# Altium PCB Copy of pcb-4layer-1oz-1.6mm.PcbDoc (part 3 of 3) (continued)
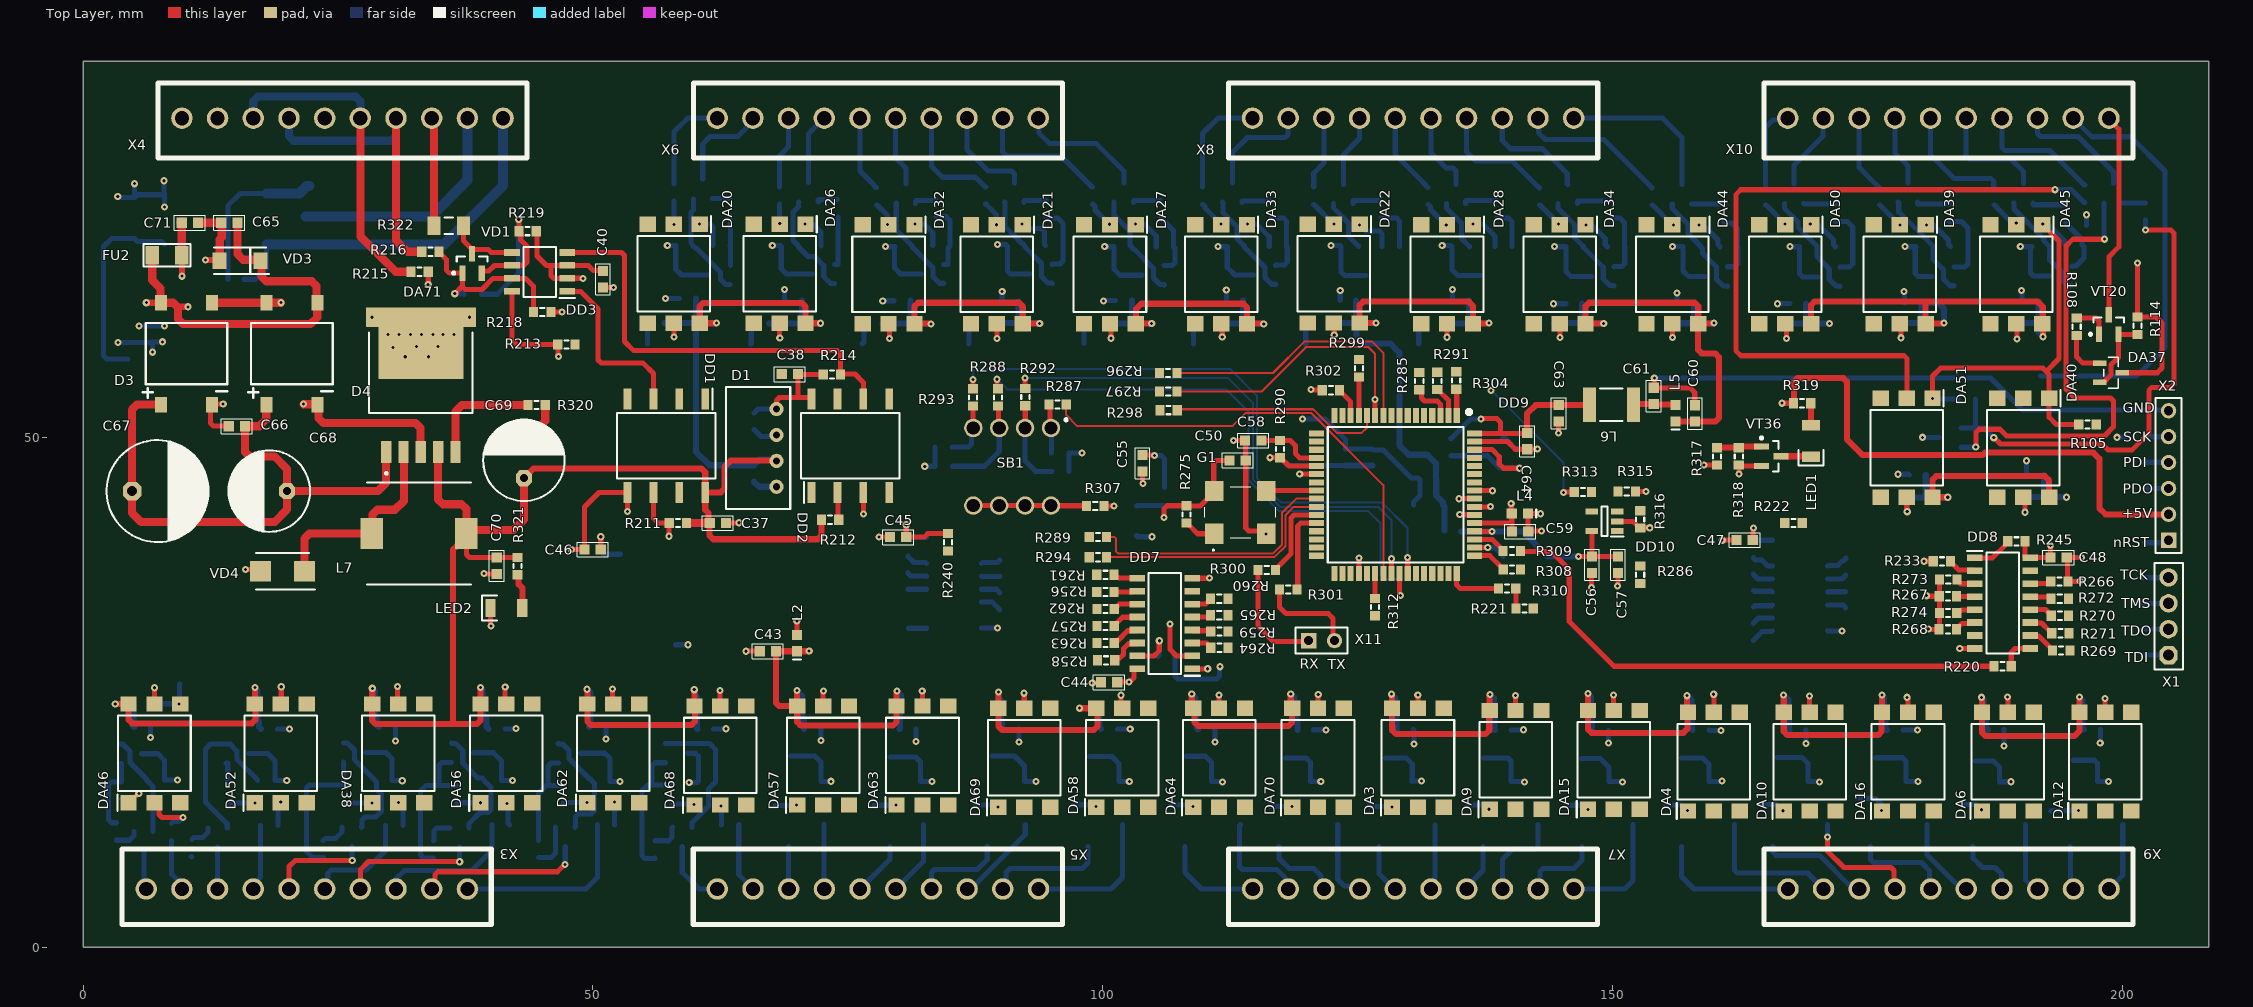
[diagram p0: Top Layer view]
## Nets (pads, with @x,y where several pads share a name; then routed paths per layer and width w, separated by ;. In a path a pad name is that pad's centre, name@x,y a point inside that pad or via, vN(x,y) a via of type N, cw(c..) or ccw(c..) an arc to the next point about the centre after c; other vN are vias at no path point) (continued)
NetDA49_1: DA49.1 R141.1 R144.1 | length 2.4
  Bottom Layer w0.5: R144.1@10.609,8.9 R144.1@10.667,8.843 ; DA49.1@14.023,18.032 14.157,18.032 14.187,18.002 R141.1@14.187,15.861
NetDA49_2: DA49.2 R150.2 VT26.2 | length 16
  Bottom Layer w0.5: VT26.2@14.137,11.688 14.137,12.138 14.087,12.188 14.012,12.188 12,14.2 12,19.407 12.504,19.911 DA49.2@14.023,19.911 14.404,19.911 15.083,19.232 15.083,18.424 17.126,16.381 R150.2@17.126,16.331
NetDA50_2: DA50.2 R145.1 | length 2.7
  Bottom Layer w0.5: R145.1@165.024,72.777 165.074,72.777 166.9,70.951 v1(166.9,70.9)
NetDA50_4: DA50.4 R151.1 R154.1
NetDA51_2: DA51.2 R146.1 | length 71.3
  Top Layer w0.5: DA51.2@178.9,53.8 178.9,57.707 178.607,58 162.6,58 162.1,58.5 162.1,73.8 162.583,74.283 v1(193.411,74.283)
  Bottom Layer w0.5: v1(193.411,74.283) 195.027,74.283 196.273,73.037 R146.1@196.323,73.037
NetDA51_4: DA51.4 R152.1 R155.1
NetDA52_2: DA52.2 R147.1 | length 2.4
  Bottom Layer w0.5: R147.1@19.106,11.938 19.106,13.874 19.391,14.158 v1(19.391,14.212)
NetDA52_4: DA52.4 R153.1 R156.1
NetDA53_1: DA53.1 R157.1 R160.1 | length 14.8
  Bottom Layer w0.5: R160.1@34.377,8.746 33.393,8.746 33.1,9.038 33.1,15.3 33.661,15.861 34.8,15.861 ; DA53.1@36.133,18.119 36.115,18.1 35.193,18.1 34.9,17.807 34.9,15.961 34.8,15.861 ; R157.1@36.689,15.861 34.8,15.861
NetDA53_2: DA53.2 R166.2 VT27.2 | length 11.4
  Bottom Layer w0.5: DA53.2@36.133,19.998 36.163,19.969 36.544,19.969 37.235,19.277 37.235,18.065 38.719,16.581 R166.2@39.158,16.581 ; VT27.2@37.867,11.688 37.867,12.138 38.928,13.2 39.707,13.2 40,13.493 40,15.689 39.608,16.081 39.558,16.081 39.358,16.281 R166.2@39.358,16.331
NetDA54_1: DA54.1 R158.1 R161.1
NetDA54_2: DA54.2 R167.2 VT28.2
NetDA55_1: DA55.1 R159.1 R162.1
NetDA55_2: DA55.2 R168.2 VT29.2
NetDA56_2: DA56.2 R163.1 | length 2.2
  Bottom Layer w0.5: v1(41.579,14.098) 41.579,14.044 41.673,13.951 41.673,12.137 R163.1@41.806,12.003
NetDA56_4: DA56.4 R169.1 R173.1
NetDA57_2: DA57.2 R164.1
NetDA57_4: DA57.4 R170.1 R172.1
NetDA58_2: DA58.2 R165.1
NetDA58_4: DA58.4 R171.1 R174.1
NetDA59_1: DA59.1 R175.1 R178.1 | length 10.5
  Bottom Layer w0.5: R178.1@44.668,10.482 44.668,15.068 45.461,15.861 ; DA59.1@46.603,18.075 46.573,18.046 45.893,18.046 45.6,17.753 45.6,16 45.461,15.861 ; R175.1@47.123,15.861 45.461,15.861
NetDA59_2: DA59.2 R183.2 VT30.2 | length 11.5
  Bottom Layer w0.5: DA59.2@46.603,19.955 46.632,19.925 47.013,19.925 47.649,19.29 47.649,18.507 49.681,16.475 49.762,16.475 49.931,16.306 R183.2@49.931,16.225 ; VT30.2@48.238,11.753 48.288,11.803 48.288,12.78 48.581,13.073 49.873,13.073 50.166,13.366 50.166,15.682 50.162,15.686 50.162,16.025 R183.2@49.962,16.225
NetDA60_1: DA60.1 R176.1 R179.1
NetDA60_2: DA60.2 R184.2 VT31.2
NetDA61_1: DA61.1 R177.1 R180.1
NetDA61_2: DA61.2 R186.2 VT32.2
NetDA62_2: DA62.2 R181.1 | length 2.2
  Bottom Layer w0.5: v1(52.134,14.213) v1(52.134,14.213) R181.1@52.135,12.003
NetDA62_4: DA62.4 R187.1 R190.1
NetDA63_2: DA63.2 R182.1
NetDA63_4: DA63.4 R188.1 R191.1
NetDA64_2: DA64.2 R185.1
NetDA64_4: DA64.4 R189.1 R192.1
NetDA65_1: DA65.1 R193.1 R196.1 | length 14.3
  Bottom Layer w0.5: R196.1@56.113,8.727 56.086,8.7 55.093,8.7 54.8,8.993 54.8,15.3 55.4,15.9 55.7,15.9 ; DA65.1@57.107,18.081 56.093,18.081 55.8,17.788 55.8,16 55.7,15.9 ; R193.1@57.762,15.861 57.723,15.9 55.7,15.9
NetDA65_2: DA65.2 R202.2 VT33.2 | length 13.8
  Bottom Layer w0.5: DA65.2@57.107,19.961 61.439,19.961 62.044,19.356 62.044,16.175 61.844,15.975 61.794,15.975 61.34,15.52 61.34,13.827 59.716,12.203 VT33.2@59.716,11.753
NetDA66_1: DA66.1 R194.1 R197.1
NetDA66_2: DA66.2 R203.2 VT34.2
NetDA67_1: DA67.1 R195.1 R198.1
NetDA67_2: DA67.2 R204.2 VT35.2
NetDA68_2: DA68.2 R199.1 | length 1.9
  Bottom Layer w0.5: v1(62.561,13.854) 62.604,13.811 R199.1@62.604,12.003
NetDA68_4: DA68.4 R205.1 R208.1
NetDA69_2: DA69.2 R200.1
NetDA69_4: DA69.4 R207.1 R209.1
NetDA70_2: DA70.2 R201.1
NetDA70_4: DA70.4 R206.1 R210.1
NetDA71_2: DA71.2 L7.2 VD4.1 | length 20.3
  Top Layer w0.8: VD4.1@21.726,36.87 21.726,40.09 22.195,40.559 L7.2@28.298,40.559 28.4,40.661 28.4,42.431 28.869,42.9 30.6,42.9 31.461,43.761 DA71.2@31.461,48.526
NetDA71_5: DA71.5 R320.1 | length 11.3
  Top Layer w0.8: DA71.5@36.526,48.561 36.526,52.526 37.176,53.176 R320.1@43.633,53.176
NetDD1_2: DD1.2 R213.1
NetDD1_3: DD1.3 DD3.1 | length 17.2
  Top Layer w0.5: DD3.1@47.489,64.316 48.784,64.316 50.5,62.6 50.5,57.593 50.793,57.3 54.9,57.3 55.942,56.258 DD1.3@55.942,53.748
NetDD2_2: DD2.2 R212.1 | length 2.7
  Top Layer w0.5: DD2.2@73.988,44.598 74.05,44.537 74.05,41.979 R212.1@74.111,41.918
NetDD2_6: DD2.6 DD3.4 R214.1 | length 42.1
  Top Layer w0.5: DD3.4@47.489,68.126 52.807,68.126 53.1,67.834 53.1,59.4 54,58.5 74,58.5 74.3,58.2 R214.1@74.3,56.145 ; R214.1@74.355,56.2 75.7,56.2 76.528,55.372 DD2.6@76.528,53.748
NetDD4_3: DD4.3 R231.1 | length 1.9
  Bottom Layer w0.5: DD4.3@88.133,37.637 88.197,37.701 89.705,37.701 89.907,37.904 R231.1@89.907,37.954
NetDD4_4: DD4.4 R224.1 | length 1.8
  Bottom Layer w0.5: DD4.4@88.133,36.367 88.147,36.353 89.901,36.353 R224.1@89.915,36.339
NetDD4_5: DD4.5 R232.1 | length 2
  Bottom Layer w0.5: DD4.5@88.133,35.097 89.575,35.097 89.905,34.767 R232.1@89.905,34.717
NetDD4_6: DD4.6 R225.1 | length 2.1
  Bottom Layer w0.5: DD4.6@88.133,33.827 89.179,33.827 89.901,33.105 R225.1@89.901,33.055
NetDD4_9: DD4.9 R226.1 | length 1.8
  Bottom Layer w0.5: R226.1@80.944,31.256 80.959,31.272 82.693,31.272 DD4.9@82.709,31.287
NetDD4_11: DD4.11 R229.1
NetDD4_12: DD4.12 R223.1 | length 1.8
  Bottom Layer w0.5: R223.1@80.933,35.09 80.937,35.094 82.705,35.094 DD4.12@82.709,35.097
NetDD4_13: DD4.13 R230.1 | length 2
  Bottom Layer w0.5: R230.1@80.914,36.717 80.914,36.667 81.173,36.408 82.668,36.408 DD4.13@82.709,36.367
NetDD4_14: DD4.14 R227.1 | length 2.1
  Bottom Layer w0.5: R227.1@80.923,38.339 80.923,38.289 81.5,37.712 82.634,37.712 DD4.14@82.709,37.637
NetDD5_3: DD5.3 R242.1 | length 2.1
  Bottom Layer w0.5: DD5.3@171.106,37.364 171.181,37.439 172.107,37.439 172.555,37.886 172.675,37.886 172.875,38.086 R242.1@172.875,38.136
NetDD5_4: DD5.4 R237.1 | length 2
  Bottom Layer w0.5: DD5.4@171.106,36.094 172.507,36.094 172.865,36.452 R237.1@172.865,36.502
NetDD5_5: DD5.5 R243.1 | length 1.8
  Bottom Layer w0.5: DD5.5@171.106,34.824 171.133,34.851 172.844,34.851 R243.1@172.87,34.877
NetDD5_6: DD5.6 R238.1 | length 1.9
  Bottom Layer w0.5: DD5.6@171.106,33.554 172.633,33.554 172.87,33.317 R238.1@172.87,33.267
NetDD5_9: DD5.9 R239.1 | length 2.3
  Bottom Layer w0.5: R239.1@163.849,30.062 163.849,30.112 164.676,30.939 165.607,30.939 DD5.9@165.682,31.014
NetDD5_10: DD5.10 R234.1 | length 2.1
  Bottom Layer w0.5: R234.1@163.843,31.747 163.843,31.797 164.331,32.284 DD5.10@165.682,32.284
NetDD5_11: DD5.11 R244.1 | length 1.9
  Bottom Layer w0.5: R244.1@163.822,33.372 163.929,33.479 165.607,33.479 DD5.11@165.682,33.554
NetDD5_12: DD5.12 R235.1 | length 1.9
  Bottom Layer w0.5: R235.1@163.826,34.986 163.914,34.899 165.607,34.899 DD5.12@165.682,34.824
NetDD5_13: DD5.13 R241.1 | length 2.1
  Bottom Layer w0.5: R241.1@163.83,36.597 163.83,36.547 164.283,36.094 DD5.13@165.682,36.094
NetDD5_14: DD5.14 R236.1 | length 2.2
  Bottom Layer w0.5: R236.1@163.814,38.213 163.814,38.163 164.014,37.963 164.645,37.963 165.245,37.364 DD5.14@165.682,37.364
NetDD6_3: DD6.3 R254.1
NetDD6_4: DD6.4 R249.1
NetDD6_5: DD6.5 R255.1
NetDD6_6: DD6.6 R250.1
NetDD6_9: DD6.9 R251.1
NetDD6_10: DD6.10 R246.1
NetDD6_11: DD6.11 R252.1
NetDD6_12: DD6.12 R247.1
NetDD6_13: DD6.13 R253.1
NetDD6_14: DD6.14 R248.1
NetDD7_3: DD7.3 R264.1 | length 2
  Top Layer w0.5: DD7.3@108.805,29.83 110.182,29.83 110.598,29.414 R264.1@110.598,29.364
NetDD7_4: DD7.4 R259.1 | length 1.8
  Top Layer w0.5: DD7.4@108.805,31.1 108.874,31.031 110.528,31.031 R259.1@110.597,30.961
NetDD7_5: DD7.5 R265.1 | length 1.9
  Top Layer w0.5: DD7.5@108.805,32.37 110.403,32.37 R265.1@110.586,32.552
NetDD7_6: DD7.6 R260.1 | length 2
  Top Layer w0.5: DD7.6@108.805,33.64 110.11,33.64 110.58,34.11 R260.1@110.58,34.16
NetDD7_9: DD7.9 R261.1 | length 2.4
  Top Layer w0.5: R261.1@101.116,36.51 101.116,36.46 101.316,36.26 101.53,36.26 101.608,36.182 103.379,36.182 DD7.9@103.381,36.18
NetDD7_10: DD7.10 R256.1 | length 2.3
  Top Layer w0.5: R256.1@101.116,34.834 102.868,34.834 102.944,34.91 DD7.10@103.381,34.91
NetDD7_11: DD7.11 R262.1 | length 2.5
  Top Layer w0.5: R262.1@101.136,33.158 101.136,33.208 101.336,33.408 101.398,33.408 101.629,33.64 DD7.11@103.381,33.64
NetDD7_12: DD7.12 R257.1 | length 2.6
  Top Layer w0.5: R257.1@101.136,31.503 101.136,31.553 101.933,32.349 DD7.12@103.361,32.349
NetDD7_13: DD7.13 R263.1 | length 2.8
  Top Layer w0.5: R263.1@101.138,29.827 101.138,29.877 101.338,30.077 101.492,30.077 102.44,31.025 103.306,31.025 DD7.13@103.381,31.1
NetDD7_14: DD7.14 R258.1 | length 3.3
  Top Layer w0.5: R258.1@101.188,28.125 101.188,28.175 101.388,28.375 101.714,28.375 102.038,28.699 102.038,29.265 102.528,29.755 103.306,29.755 DD7.14@103.381,29.83
NetDD8_3: DD8.3 R273.1 | length 2
  Top Layer w0.5: R273.1@183.779,36.041 183.779,35.991 184.132,35.638 DD8.3@185.548,35.638
NetDD8_4: DD8.4 R267.1 | length 1.8
  Top Layer w0.5: R267.1@183.745,34.406 183.763,34.388 185.532,34.388 DD8.4@185.55,34.37
NetDD8_5: DD8.5 R274.1 | length 2
  Top Layer w0.5: R274.1@183.759,32.778 183.759,32.828 183.959,33.028 184.233,33.028 184.252,33.047 185.497,33.047 DD8.5@185.55,33.1
NetDD8_6: DD8.6 R268.1 | length 2.1
  Top Layer w0.5: R268.1@183.74,31.165 183.74,31.215 184.28,31.755 185.475,31.755 DD8.6@185.55,31.83
NetDD8_10: DD8.10 R269.1 | length 2.9
  Top Layer w0.5: DD8.10@190.974,30.56 191.049,30.485 191.839,30.485 192.959,29.365 192.959,29.278 R269.1@193.159,29.078
NetDD8_11: DD8.11 R271.1 | length 2.4
  Top Layer w0.5: DD8.11@190.974,31.83 191.016,31.788 192.08,31.788 192.839,31.029 192.883,31.029 192.956,30.956 R271.1@192.956,30.912
NetDD8_12: DD8.12 R270.1 | length 2.3
  Top Layer w0.5: DD8.12@190.996,33.122 192.469,33.122 193.04,32.551 R270.1@193.04,32.501
NetDD8_13: DD8.13 R272.1 | length 2.1
  Top Layer w0.5: DD8.13@190.987,34.356 192.832,34.356 R272.1@193.018,34.17
NetDD8_14: DD8.14 R266.1 | length 2.1
  Top Layer w0.5: DD8.14@190.988,35.654 192.786,35.654 192.986,35.854 R266.1@192.986,35.871
NetDD9_1: DD9.1 R304.2 | length 2.6
  Top Layer w0.5: R304.2@134.671,54.72 134.732,54.659 DD9.1@134.732,52.139
NetDD9_10: DD9.10 R296.2 | length 28.2
  Top Layer w0.2: R296.2@107.275,56.309 116.709,56.309 119.807,59.407 126.403,59.407 127.525,58.285 DD9.10@127.525,52.132
NetDD9_12: DD9.12 R298.2 | length 21
  Top Layer w0.2: R298.2@107.319,52.66 107.409,52.75 120.645,52.75 122.995,50.4 125.369,50.4 125.925,50.955 DD9.12@125.925,52.132
NetDD9_13: DD9.13 R299.2 | length 3.8
  Top Layer w0.5: DD9.13@125.125,52.132 R299.2@125.126,55.927
NetDD9_14: DD9.14 R302.1 | length 2.9
  Top Layer w0.5: R302.1@123.242,54.618 123.242,54.568 124.325,53.486 DD9.14@124.325,52.132
NetDD9_27: DD9.27 R300.1 | length 8.3
  Top Layer w0.5: R300.1@116.938,36.994 116.938,37.044 118.482,38.588 118.482,42.089 118.775,42.382 DD9.27@120.974,42.382
NetDD9_28: DD9.28 R301.1 | length 8.1
  Top Layer w0.5: R301.1@119.115,35.158 119.132,35.175 119.132,41.289 119.425,41.582 DD9.28@120.975,41.582
NetDD9_48: DD9.48 R310.2 | length 5.3
  Top Layer w0.5: DD9.48@134.725,36.632 134.718,36.625 134.718,35.515 135.048,35.185 R310.2@138.811,35.185
NetDD9_49: DD9.49 R308.2 | length 3.4
  Top Layer w0.5: DD9.49@136.487,38.393 137.967,38.393 139.086,37.274 139.086,37.222 R308.2@139.286,37.022
NetDD9_50: DD9.50 R311.2 | length 3.2
  Top Layer w0.5: DD9.50@136.475,39.182 v1@137.767,39.182
  Bottom Layer w0.5: v1@137.785,39.163 138.461,39.163 139.278,38.346 R311.2@139.278,38.296
  other v1: 137.768,39.181
NetDD9_51: DD9.51 R309.2 | length 3.3
  Top Layer w0.5: DD9.51@136.475,39.982 138.207,39.982 139.278,38.91 R309.2@139.278,38.86
NetDD10_3: DD10.3 R312.1 R315.1 R316.2
NetDD10_4: DD10.4 R313.1
NetG1_1: G1.1 R275.1 | length 3.2
  Top Layer w0.5: R275.1@108.232,41.579 108.282,41.579 108.482,41.379 108.482,41.363 109.309,40.535 G1.1@110.959,40.535
NetLED1_1: LED1.1 VT36.3 | length 3
  Top Layer w0.6: VT36.3@166.52,48.141 169.403,48.141 LED1.1@169.458,48.086
NetLED1_2: LED1.2 R319.1 | length 2.2
  Top Layer w0.6: R319.1@169.455,53.337 169.456,53.336 LED1.2@169.458,51.186 LED1.2@169.458,51.186
NetLED2_2: LED2.2 R321.1 | length 3.5
  Top Layer w0.6: R321.1@42.619,36.526 42.708,36.437 42.708,35.592 43.1,35.2 43.1,33.299 LED2.2@43.066,33.265
NetR3_2: R3.2 VT1.1
NetR4_2: R4.2 VT2.1
NetR8_2: R8.2 VT3.1
NetR15_2: R15.2 R265.2
NetR16_2: R16.2 R258.2
NetR20_2: R20.2 R270.2
NetR21_2: R21.2 VT4.1
NetR22_2: R22.2 VT5.1
NetR30_2: R30.2 VT6.1
NetR31_2: R31.2 R264.2
NetR32_2: R32.2 R260.2
NetR37_2: R37.2 VT7.1
NetR38_2: R38.2 VT8.1
NetR40_2: R40.2 R272.2
NetR47_2: R47.2 R271.2
NetR48_2: R48.2 R259.2
NetR52_2: R52.2 VT9.1 | length 1.8
  Bottom Layer w0.5: VT9.1@61.723,73.417 61.726,73.421 R52.2@63.506,73.421
NetR53_2: R53.2 VT10.1 | length 2.3
  Bottom Layer w0.5: VT10.1@92.298,73.052 92.298,73.171 92.348,73.221 R53.2@94.484,73.221
NetR54_2: R54.2 VT11.1 | length 3
  Bottom Layer w0.5: VT11.1@124.559,72.92 124.559,73.171 124.609,73.221 R54.2@127.313,73.221
NetR64_2: R64.2 R229.2
NetR65_2: R65.2 R227.2
NetR66_2: R66.2 R232.2
NetR70_2: R70.2 VT12.1 | length 2.1
  Bottom Layer w0.5: VT12.1@72.1,73.085 72.1,73.274 72.15,73.324 R70.2@73.983,73.324
NetR71_2: R71.2 VT13.1 | length 2.8
  Bottom Layer w0.5: VT13.1@103.026,73.055 103.026,73.171 103.076,73.221 R71.2@105.669,73.221
NetR72_2: R72.2 VT14.1 | length 3.3
  Bottom Layer w0.5: VT14.1@135.613,72.92 135.613,73.171 135.663,73.221 R72.2@138.626,73.221
NetR82_2: R82.2 R223.2
NetR83_2: R83.2 R231.2
NetR84_2: R84.2 R225.2
NetR88_2: R88.2 VT15.1 | length 2.3
  Bottom Layer w0.5: VT15.1@81.658,72.959 81.658,73.156 81.708,73.206 83.534,73.206 R88.2@83.658,73.331
NetR89_2: R89.2 VT16.1 | length 3
  Bottom Layer w0.5: VT16.1@113.67,73.052 113.67,73.141 113.72,73.191 R89.2@116.52,73.191
NetR90_2: R90.2 VT17.1 | length 3.6
  Bottom Layer w0.5: VT17.1@146.566,72.92 146.566,73.135 146.616,73.185 149.875,73.185 R90.2@149.91,73.221
NetR100_2: R100.2 R224.2
NetR101_2: R101.2 R244.2
NetR102_2: R102.2 R230.2
NetR106_2: R106.2 VT18.1 | length 2.6
  Bottom Layer w0.5: R106.2@23.558,10.465 23.758,10.665 24.773,10.665 25.411,11.303 VT18.1@25.411,11.753
NetR107_2: R107.2 VT19.1 | length 3.3
  Bottom Layer w0.5: VT19.1@179.929,73.069 179.929,72.922 179.979,72.872 R107.2@183.057,72.872
NetR108_2: R108.2 VT20.1 | length 3.6
  Top Layer w0.5: R108.2@195.528,61.693 197.437,61.693 197.73,61.401 VT20.1@197.73,60.106
NetR118_2: R118.2 R247.2
NetR119_2: R119.2 R236.2
NetR120_2: R120.2 R243.2
NetR124_2: R124.2 VT21.1 | length 3.2
  Bottom Layer w0.5: VT21.1@157.767,72.884 157.778,72.872 R124.2@160.916,72.872
NetR125_2: R125.2 VT22.1 | length 3.4
  Bottom Layer w0.5: VT22.1@191.24,72.976 191.24,72.854 191.29,72.804 194.363,72.804 R125.2@194.423,72.744
NetR126_2: R126.2 VT23.1 | length 2.3
  Bottom Layer w0.5: R126.2@3.291,10.475 4.564,10.475 4.976,10.887 VT23.1@4.976,11.337
NetR136_2: R136.2 R235.2
NetR137_2: R137.2 R242.2
NetR138_2: R138.2 R238.2
NetR142_2: R142.2 VT24.1 | length 3.2
  Bottom Layer w0.5: VT24.1@168.758,72.926 168.758,72.922 168.808,72.872 R142.2@171.886,72.872
NetR143_2: R143.2 VT25.1 | length 2.2
  Bottom Layer w0.5: VT25.1@200.089,72.978 200.109,72.998 R143.2@202.292,72.998
NetR144_2: R144.2 VT26.1 | length 2.3
  Bottom Layer w0.5: R144.2@10.667,10.543 10.867,10.743 11.741,10.743 12.237,11.238 VT26.1@12.237,11.688
NetR154_2: R154.2 R241.2
NetR155_2: R155.2 R237.2
NetR156_2: R156.2 R252.2
NetR160_2: R160.2 VT27.1 | length 2.6
  Bottom Layer w0.5: R160.2@34.377,10.446 34.4,10.469 34.4,11.396 34.693,11.688 VT27.1@35.967,11.688
NetR161_2: R161.2 VT28.1
NetR162_2: R162.2 VT29.1
NetR172_2: R172.2 R249.2
NetR173_2: R173.2 R253.2
NetR174_2: R174.2 R262.2
NetR178_2: R178.2 VT30.1 | length 4.4
  Bottom Layer w0.5: R178.2@44.668,8.782 45.907,8.782 46.338,9.213 VT30.1@46.338,11.753
NetR179_2: R179.2 VT31.1
NetR180_2: R180.2 VT32.1
NetR190_2: R190.2 R248.2
NetR191_2: R191.2 R255.2
NetR192_2: R192.2 R257.2
NetR196_2: R196.2 VT33.1 | length 2.8
  Bottom Layer w0.5: R196.2@56.113,10.427 57.427,10.427 57.766,10.766 57.766,11.703 VT33.1@57.816,11.753
NetR197_2: R197.2 VT34.1
NetR198_2: R198.2 VT35.1
NetR208_2: R208.2 R254.2
NetR209_2: R209.2 R250.2
NetR210_2: R210.2 R263.2
NetR220_1: R220.1 R309.1 | length 54.1
  Top Layer w0.5: R309.1@140.978,38.86 141.043,38.795 144.005,38.795 145.76,37.04 145.76,31.935 150.148,27.547 R220.1@187.408,27.547
NetR221_1: R221.1 R310.1 | length 2
  Top Layer w0.5: R310.1@140.511,35.185 140.52,35.176 140.52,33.223 R221.1@140.529,33.214
NetR222_1: R222.1 R311.1
NetR226_2: R226.2 R234.2
NetR228_1: R228.1 R308.1 | length 7.4
  Bottom Layer w0.5: R228.1@107.104,28.511 107.104,26.593 107.397,26.3 111.169,26.3 111.462,26.593 111.462,27.462 v1(111.5,27.5)
NetR239_2: R239.2 R246.2
NetR251_2: R251.2 R256.2
NetR261_2: R261.2 R269.2
NetR277_2: R277.2 X1.3 | length 2.6
  Bottom Layer w0.5: R277.2@201.977,33.719 X1.3@204.541,33.719
NetR278_2: R278.2 X1.1 | length 2.6
  Bottom Layer w0.5: R278.2@201.977,28.62 201.987,28.63 204.532,28.63 X1.1@204.541,28.639
NetR279_2: R279.2 X1.2 | length 2.6
  Bottom Layer w0.5: R279.2@201.977,31.193 201.984,31.186 204.534,31.186 X1.2@204.541,31.179
NetR280_2: R280.2 X1.4 | length 2.6
  Bottom Layer w0.5: R280.2@201.977,36.189 202.012,36.224 204.506,36.224 X1.4@204.541,36.259
NetR281_2: R281.2 X2.3 | length 2.3
  Bottom Layer w0.5: R281.2@202.244,45.01 202.257,44.997 204.533,44.997 X2.3@204.546,44.984
NetR282_2: R282.2 X2.5 | length 2.3
  Bottom Layer w0.5: R282.2@202.244,50.046 202.253,50.055 204.537,50.055 X2.5@204.546,50.064
NetR283_2: R283.2 X2.1 | length 2.4
  Bottom Layer w0.5: R283.2@202.244,39.654 204.296,39.654 X2.1@204.546,39.904
NetR284_2: R284.2 X2.4 | length 2.3
  Bottom Layer w0.5: R284.2@202.244,47.584 202.274,47.554 204.516,47.554 X2.4@204.546,47.524
NetR285_2: R285.2
NetR287_1: R287.1 R306.2 SB1.1 | length 4.9
  Top Layer w0.5: R287.1@94.721,53.226 94.826,53.12 94.826,51.025 SB1.1@94.932,50.92
  Bottom Layer w0.5: SB1.1@94.932,50.92 94.962,50.89 94.962,48.49 R306.2@94.992,48.46
NetR288_1: R288.1 R303.2 SB1.3 | length 9.7
  Top Layer w0.5: R288.1@89.725,53.058 89.788,52.994 89.788,50.984 SB1.3@89.852,50.92
  Bottom Layer w0.5: R303.2@85.267,47.157 88.407,47.157 89.852,48.602 SB1.3@89.852,50.92
NetR291_2: R291.2
NetR292_1: R292.1 R305.2 SB1.2 | length 8.4
  Top Layer w0.5: SB1.2@92.392,50.92 92.404,50.931 92.404,53.078 R292.1@92.415,53.09
  Bottom Layer w0.5: SB1.2@92.392,50.92 92.392,47.708 93.444,46.656 R305.2@95.007,46.656
NetR293_1: R293.1 R295.2 SB1.4 | length 5.8
  Top Layer w0.5: R293.1@87.274,53.065 87.293,53.046 87.293,50.939 SB1.4@87.312,50.92
  Bottom Layer w0.5: R295.2@85.247,49.051 86.851,49.051 87.144,49.344 87.144,50.751 SB1.4@87.312,50.92
NetR307_2: R307.2 SB1.5 SB1.6 SB1.7 SB1.8 | length 11.1
  Top Layer w0.5: SB1.5@87.312,43.3 SB1.6@89.852,43.3 SB1.7@92.392,43.3 SB1.8@94.932,43.3 94.949,43.283 98.41,43.283 R307.2@98.426,43.267
NetR317_2: R317.2 R318.2 VT36.1 | length 4.4
  Top Layer w0.6: R317.2@160.252,48.982 R318.2@162.392,48.982 162.5,49.091 VT36.1@164.62,49.091
nPL_to_MCU: DD4.1 DD5.1 DD6.1 DD7.1 DD8.1 R222.2 R245.1 | length 5.5
  Top Layer w0.5: DD7.1@108.805,27.29 110.29,27.29 v1(110.3,27.3) ; DD8.1@185.55,38.18 187.28,38.18 188.562,39.462 188.562,39.597 R245.1@188.762,39.797
nRESET: C58.1 DD9.20 R283.1 R286.2 R290.1 | length 6.6
  Top Layer w0.5: C58.1@115.573,49.683 115.58,49.69 117.393,49.69 R290.1@117.4,49.697 118.403,49.697 118.9,49.2 118.9,48.4 119.321,47.979 DD9.20@120.972,47.979
OUT_BITs: DD8.9 R220.2 | length 3.4
  Top Layer w0.5: R220.2@189.108,27.547 189.108,28.908 189.49,29.29 DD8.9@190.974,29.29
PDI: DD9.2 R284.1 R291.1 | length 3
  Top Layer w0.5: R291.1@132.868,54.671 133.555,53.985 133.571,53.985 133.925,53.632 DD9.2@133.925,52.132
PDO: DD9.3 R281.1 R285.1 | length 4.1
  Top Layer w0.5: R285.1@131.051,54.659 131.066,54.659 131.266,54.459 131.266,53.863 131.558,53.57 132.824,53.57 133.117,53.277 DD9.3@133.117,52.139
RS485_A: DD3.6 R215.2 R217.1 R219.1 VD1.2 | length 20.5
  Top Layer w0.5: v1(33.851,64.985) 33.859,64.993 R215.2@33.859,66.234 ; VD1.2@39.08,66.12 VD1.2@39.101,66.099 39.101,66.25 39.151,66.3 39.8,66.3 40.356,66.856 DD3.6@42.067,66.856 ; DD3.6@42.081,66.87 43.248,66.87 43.541,67.163 43.541,68.743 42.923,69.361 42.923,70.047 R219.1@42.752,70.217 42.752,71.331 v1(42.731,71.352)
  Bottom Layer w0.5: R217.1@39.073,64.027 40.624,64.027 42.731,66.135 v1(42.731,71.352)
RS485_B: DD3.7 R216.2 R217.2 R218.2 VD1.1 | length 17.5
  Top Layer w0.5: R216.2@34.924,68.196 34.924,68.146 35.628,67.442 35.628,66.392 35.921,66.099 VD1.1@37.201,66.099 37.201,64.801 ; v1(36.456,64.083) 37.173,64.801 37.201,64.801 ; R218.2@44.184,62.287 44.184,64.816 43.414,65.586 DD3.7@42.067,65.586 42.052,65.572 40.189,65.572 39.125,64.508 37.493,64.508 37.201,64.801
  Bottom Layer w0.5: v1(36.456,64.083) 37.317,64.083 R217.2@37.373,64.027
RXD: DD1.6 R211.1 R300.2 X11.1 | length 16.7
  Top Layer w0.5: DD1.6@55.942,44.598 55.942,42.058 56.413,41.587 R211.1@57.495,41.587 57.485,41.577 57.485,40.307 v1(57.474,40.297) ; R300.2@115.238,36.994 115.238,31.462 116.732,29.968 120.11,29.968 X11.1@120.198,30.056
SCK: DD9.11 R282.1 R297.2 | length 28.6
  Top Layer w0.2: R297.2@107.278,54.49 115.59,54.49 119.953,58.853 126.044,58.853 126.725,58.173 v1(126.725,53.7)
  Top Layer w0.5: DD9.11@126.725,52.132 v1(126.725,53.7)
  Bottom Layer w0.5: v1(199.5,50) 199.546,50.046 R282.1@200.544,50.046
SCL: DD9.25 R289.2 | length 26
  Top Layer w0.2: R289.2@100.383,40.207 101.183,40.207 101.3,40.09 101.3,38.841 101.549,38.592 116.7,38.592 117.59,39.481 117.59,42.581 118.99,43.982 DD9.25@120.975,43.982
SDA: DD9.26 R294.2 | length 24.4
  Top Layer w0.2: R294.2@100.391,38.242 116.845,38.242 117.94,39.336 117.94,42.381 118.727,43.169 DD9.26@120.962,43.169
TCK: DD9.57 R280.1 | length 1.8
  Top Layer w0.5: DD9.57@136.475,44.782 138.213,44.782 v1(138.238,44.757)
TDI: DD9.54 R278.1 | length 1.5
  Top Layer w0.5: v1(135.023,42.42) 135.043,42.401 136.455,42.401 DD9.54@136.475,42.382
TDO: DD9.55 R279.1 | length 1.6
  Top Layer w0.5: DD9.55@136.475,43.182 138.026,43.182 v1(138.048,43.203)
TMS: DD9.56 R277.1 | length 1.5
  Top Layer w0.5: v1(134.94,43.974) 134.948,43.982 DD9.56@136.475,43.982
TXD: DD2.3 R301.2 X11.2 | length 11.8
  Top Layer w0.5: v1(76.526,42.471) 76.528,42.474 DD2.3@76.528,44.598 ; R301.2@117.346,35.068 117.346,33.338 117.984,32.7 122.12,32.7 122.6,32.22 122.6,30.194 X11.2@122.738,30.056
WatchDog_!EN: DD9.38 R312.2 | length 2.4
  Top Layer w0.5: R312.2@126.704,34.195 126.714,34.205 126.714,36.621 DD9.38@126.725,36.632
WatchDog_Input: R302.2 R313.2 | length 32.9
  Top Layer w0.2: v1(145.2,44.6) v1@145.232,44.632
  Top Layer w0.5: v1(120.416,54.678) 120.446,54.648 121.512,54.648 R302.2@121.542,54.618 ; v1@145.232,44.632 R313.2@146.251,44.632
  MID2 w0.2: v1(120.416,54.678) 120.459,54.636 138.064,54.636 v1(138.1,54.6)
  Bottom Layer w0.2: v1(138.1,54.6) 145.2,47.5 v1(145.2,44.6)
WatchDog_Out: DD10.1 R286.1
XTAL1: DD9.24 G1.3 | length 5
  Top Layer w0.5: G1.3@116.039,44.735 116.085,44.782 DD9.24@120.975,44.782
pads on no net: D1. DA3.3 DA4.3 DA6.3 DA9.3 DA10.3 DA12.3 DA15.3 DA16.3 DA20.3 DA21.3 DA22.3 DA26.3 DA27.3 DA28.3 DA32.3 DA33.3 DA34.3 DA38.3 DA39.3 DA40.3 DA44.3 DA45.3 DA46.3 DA50.3 DA51.3 DA52.3 DA56.3 DA57.3 DA58.3 DA62.3 DA63.3 DA64.3 DA68.3 DA69.3 DA70.3 DD1.1 DD1.4 DD1.7 DD2.1 DD2.4 DD2.7 DD4.7 DD4.10 DD5.7 DD6.7 DD7.7 DD8.7 DD9.4 DD9.5 DD9.6 DD9.7 DD9.8 DD9.9 DD9.15 DD9.16 DD9.17 DD9.18 DD9.19 DD9.23 DD9.29 DD9.30 DD9.31 DD9.32 DD9.33 DD9.34 DD9.35 DD9.37 DD9.43 DD9.44 DD9.45 DD9.46 DD9.47 DD9.58 DD9.59 DD9.60 DD9.61 R289.1 R294.1 R296.1 R297.1 R298.1 R299.1 R304.1 X3. X4. X5. X6. X7. X8. X9. X10.

## Polygon pours and split planes (outlines as drawn)
GND_INPUTS on MID1 "GND_INPUTS_L02_P002" (solid, pour order 2): 1,84.5 1,2.5 ccw(c2.5,2.5) 2.5,1 205.5,1 ccw(c205.5,3) 207.5,3 207.5,85 ccw(c206.5,85) 206.5,86 2.5,86 ccw(c2.5,84.5)
GND on MID1 "GND_L02_P001" (solid, remove dead copper, pour order 1): 7,52 11,52 11,55.5 cw(c12.5,55.5) 12.5,57 25,57 ccw(c25,58) 26,58 26,62.5 cw(c27.5,62.5) 27.5,64 40,64 cw(c40,62.5) 41.5,62.5 41.5,55.5 ccw(c42.5,55.5) 42.5,54.5 53,54.5 ccw(c53,56) 54.5,56 54.5,63.5 cw(c56,63.5) 56,65 206.5,65 cw(c206.5,64) 207.5,64 207.5,21.5 cw(c204.4,21.5) 204.4,18.4 7.1,18.4 cw(c7.1,19.5) 6,19.5 6,51 cw(c7,51)
GND_MCU on MID1 "GND_MCU_L02_P000" (solid, remove dead copper, pour order 0): 99.5,56.5 169.5,56.5 cw(c169.5,56) 170,56 170,34 cw(c169.5,34) 169.5,33.5 99.5,33.5 cw(c99.5,34) 99,34 99,56 cw(c99.5,56)
+12V_INPUTS on MID2 "+12V_INPUTS_L03_P006" (solid, remove dead copper, pour order 6): 1,76.9 1,9.5 ccw(c1.5,9.5) 1.5,9 5,9 206.1,9 ccw(c206.1,10.3) 207.4,10.3 207.4,76.4 ccw(c206.3,76.4) 206.3,77.5 1.6,77.5 ccw(c1.6,76.9)
+5 on MID2 "+5_L03_P005" (solid, remove dead copper, pour order 5): 10.3,16 200,16 ccw(c200,16.5) 200.5,16.5 200.5,64 ccw(c200,64) 200,64.5 9.5,64.5 ccw(c9.5,63.5) 8.5,63.5 8.5,17.8 ccw(c10.3,17.8)
+5_L on MID2 "+5_L_L03_P004" (solid, remove dead copper, pour order 4): 48.5,42.5 48.5,29.5 ccw(c50,29.5) 50,28 82,28 cw(c82,27) 83,27 83,26.5 ccw(c83.5,26.5) 83.5,26 99,26 99,25.5 193,25.5 ccw(c193,26.5) 194,26.5 194,39 ccw(c193,39) 193,40 167.5,40 cw(c167.5,40.5) 167,40.5 167,42.5 ccw(c166.5,42.5) 166.5,43 163,43 ccw(c163,42.5) 162.5,42.5 162.5,34 cw(c162,34) 162,33.5 103,33.5 cw(c103,37) 99.5,37 99.5,43 ccw(c98.5,43) 98.5,44 50,44 ccw(c50,42.5)
+5_MCU on MID2 "+5_MCU_L03_P003" (solid, remove dead copper, pour order 3): 81,57 81,45.5 ccw(c81.5,45.5) 81.5,45 122.5,45 cw(c122.5,44) 123.5,44 123.5,35 ccw(c124.5,35) 124.5,34 161,34 ccw(c161,35) 162,35 162,44.5 cw(c163,44.5) 163,45.5 168.5,45.5 ccw(c168.5,46.5) 169.5,46.5 169.5,56.5 ccw(c168.5,56.5) 168.5,57.5 81.5,57.5 ccw(c81.5,57)

## Silkscreen, mask and mechanical layers (free items; w line width, h text height)
Top Overlay:
  text "GND" at 200.069,52.385 h1
  text "SCK" at 200.096,49.564 h1
  text "PDI" at 200.099,47.06 h1
  text "PDO" at 200.025,44.479 h1
  text "+5V" at 199.985,42.08 h1
  text "nRST" at 199.103,39.192 h1
  text "TCK" at 199.782,36.007 h1
  text "TMS" at 199.914,33.219 h1
  text "TDO" at 199.897,30.534 h1
  text "TDI" at 200.233,27.947 h1
  text "RX" at 119.353,27.276 h1
  text "TX" at 122.057,27.235 h1
Border:
  the board outline again, w0.2
Size:
  lines w0.254: 0,0 0,18.05 208.5,18.05 208.5,0 ; 0,2 208.5,2 ; 0,66.85 208.5,66.85 208.5,84.9 0,84.9 0,66.85